# Altium PCB PCB1.PcbDoc (part 2 of 2)
Units mm, origin at the board's own origin, x right, y up, seen from the top; angles counter-clockwise.
Board outline 132 x 80.54 mm, 2 copper layers (Top Layer, Bottom Layer); 184 components, 125 nets, 589 pads, 432 vias.
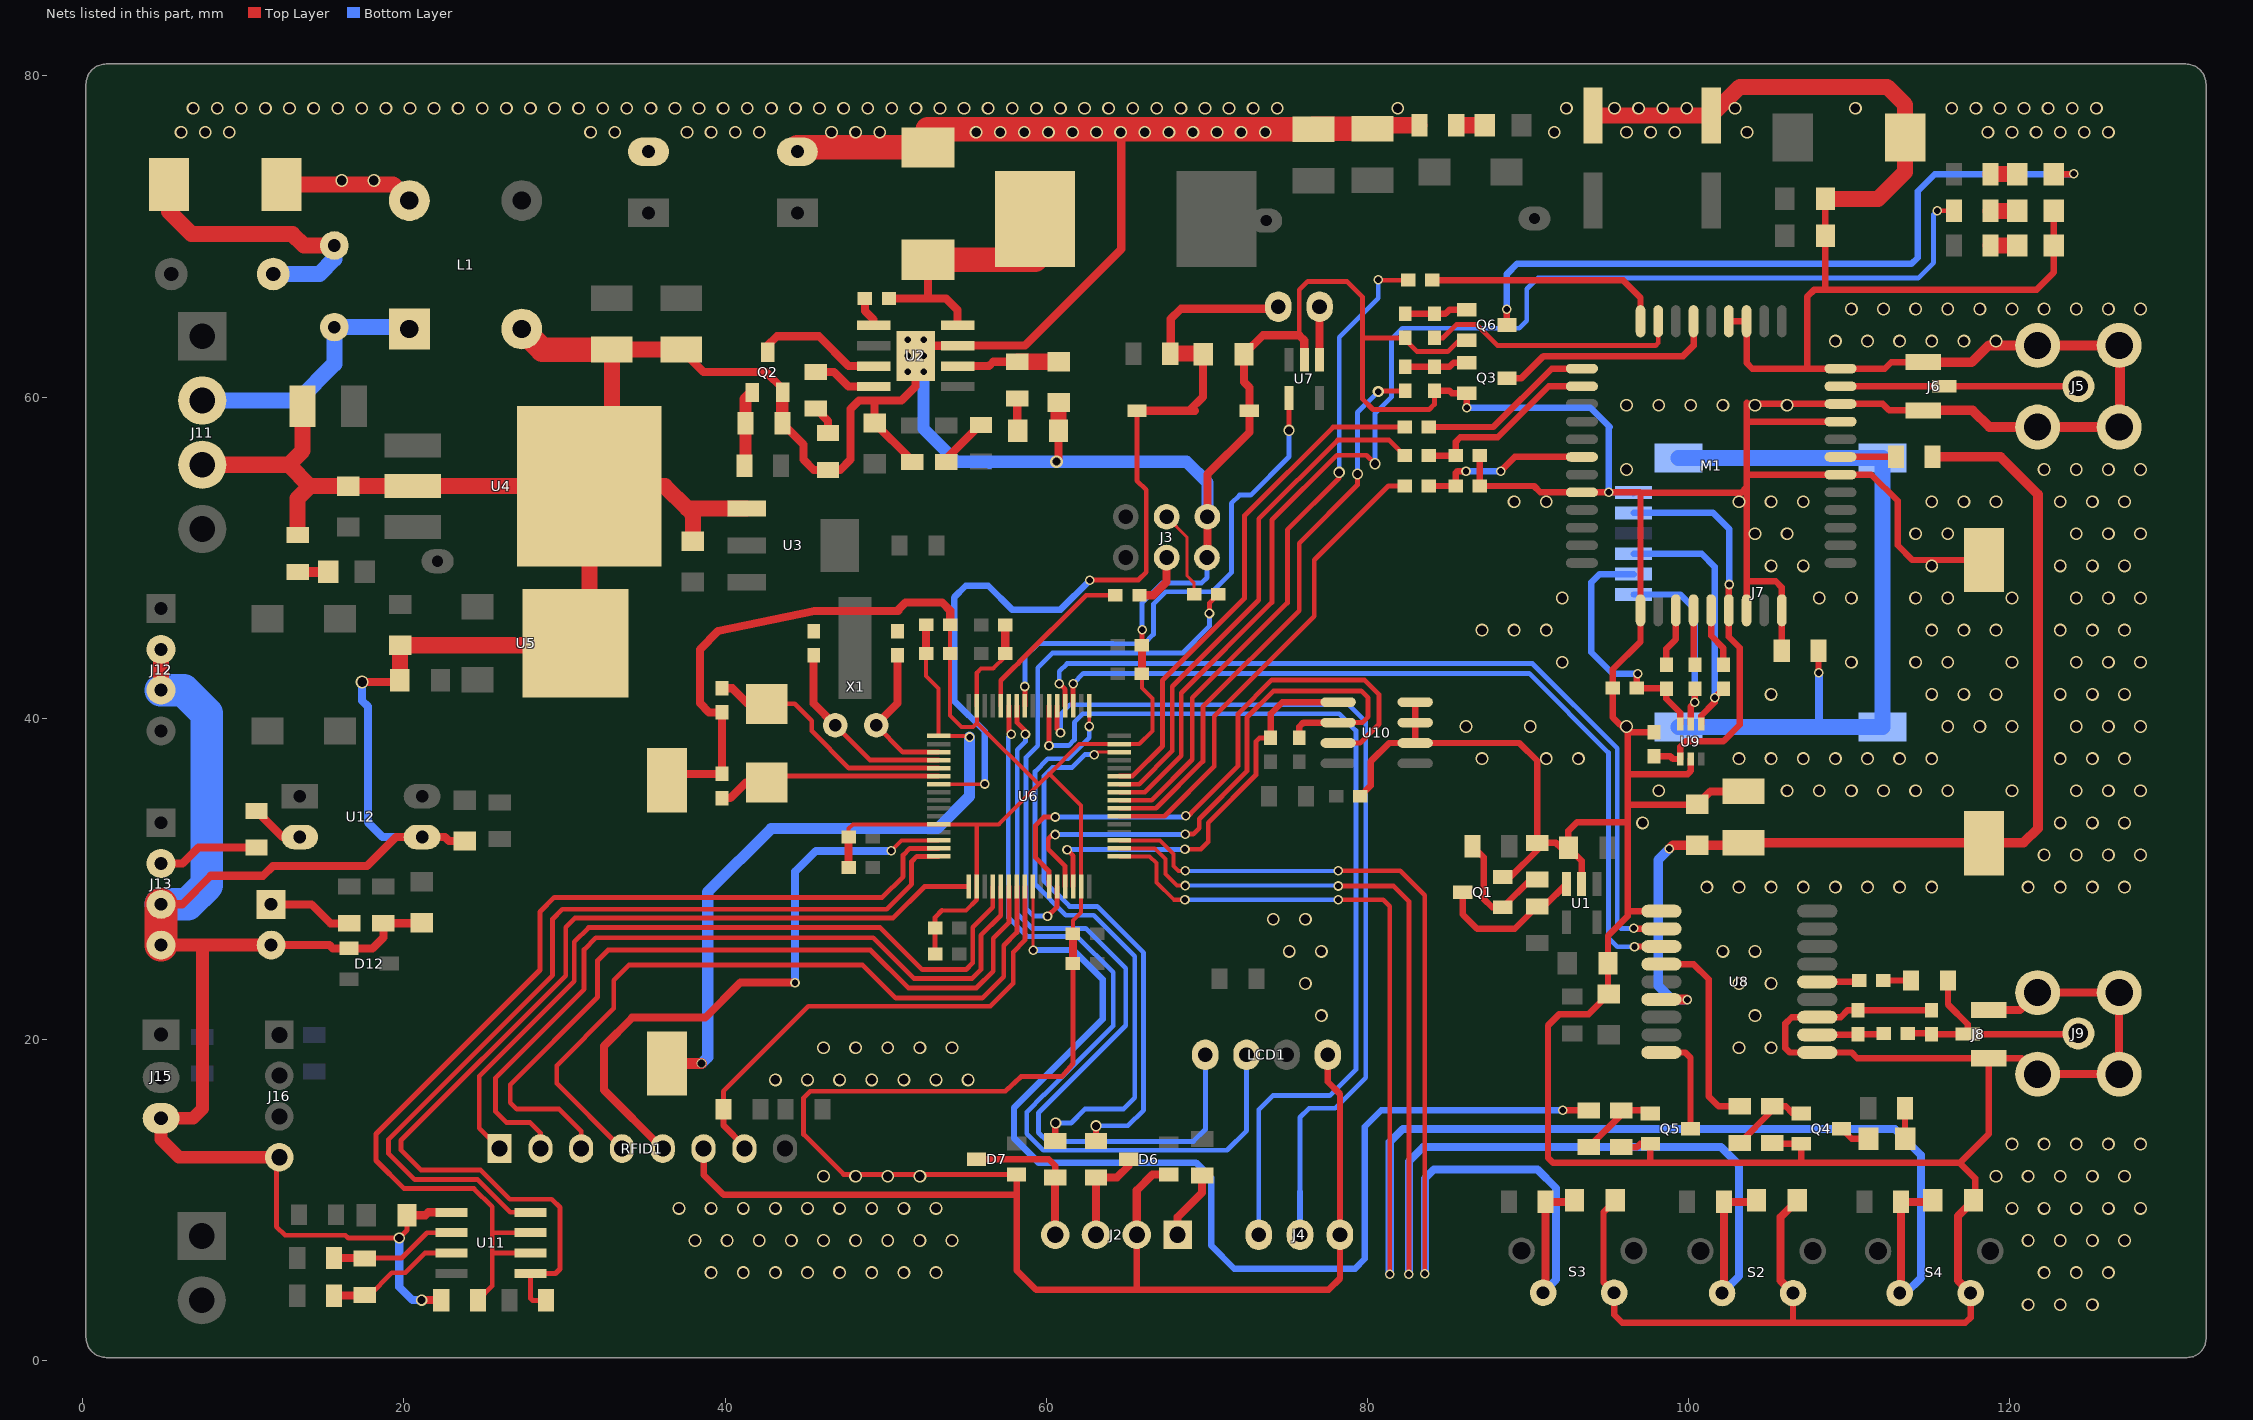
[diagram p2: the nets of this part, all layers, seen from the top]

## Via types
v1: diameter 0.8, hole 0.6, Top Layer to Bottom Layer, 324 vias
v2: diameter 0.6, hole 0.4, Top Layer to Bottom Layer, 68 vias
v3: diameter 0.7, hole 0.5, Top Layer to Bottom Layer, 21 vias
v4: diameter 4, hole 3, Top Layer to Bottom Layer, 8 vias
v5: diameter 0.6, hole 0.5, Top Layer to Bottom Layer, 3 vias
v6: diameter 0.7, hole 0.4, Top Layer to Bottom Layer, 2 vias
v7: diameter 1.3, hole 1.3, Top Layer to Bottom Layer, 2 vias
v8: diameter 1.5, hole 1.5, Top Layer to Bottom Layer, 2 vias
v9: diameter 0.8, hole 0.5, Top Layer to Bottom Layer, 2 vias

## Nets (pads, with @x,y where several pads share a name; then routed paths per layer and width w, separated by ;. In a path a pad name is that pad's centre, name@x,y a point inside that pad or via, vN(x,y) a via of type N, cw(c..) or ccw(c..) an arc to the next point about the centre after c; other vN are vias at no path point) (continued)
GND: BT1.2 BT2.2 C1.2 C2.2 C5.1 C6.1 C7.1 C8.1 C9.1 C10.1 C11.1 C12.1 C13.1 C14.1 C15.1 C16.1 C17.1 C18.1 C19.1 C20.1 C21.1 C22.1 C23.1 C24.1 C25.1 C26.1 C27.1 C28.1 C29.2 C30.2 C31.1 C32.1 C33.2 C34.2 C35.2 C36.2 C37.2 C38.2 C39.2 C40.2 C41.2 C42.2 C43.2 C44.1 C45.2 C46.2 C47.1 C48.1 C49.1 C50.1 C51.1 C52.1 C53.2 C54.1 D3.1 D6.1 D7.1 D12.1 J2.2 J3.3 J3.6 J4.3 J5.2 J6.2 J7.1 J8.2 J9.2 J11.3 J12.2 J12.3 J13.3 J13.4 J14.2 J15.3 J16.4 L1.2 LCD1.1 LED1.2 LED2.2 M1.8 M1.13 M1.19 M1.21 M1.27 M1.30 M1.31 M1.33 M1.36 M1.37 Q1.1 Q2.1 Q3.1 Q4.1 Q5.1 Q6.1 R7.1 R8.1 R9.1 R11.1 R12.1 R13.1 R27.1 R29.1 R33.1 R36.1 R37.1 R38.2 R46.1 R53.1 R58.1 RFID1.6 S1.2 S2.2 S3.2 S4.2 U1.2 U2.7 U2.9 U3.1 U4.2 U4.4 U5.2 U6.12 U6.18 U6.31 U6.47 U6.63 U7.2 U8.1 U8.10 U8.12 U9.2 U10.2 U10.3 U10.4 U11.5 U12.3 | length 1028.4
  Top Layer w0.254: C19.1@47.688,32.614 47.688,33.134 47.958,33.404 U6.12@53.291,33.404 55.677,33.404 ; 53.505,28.042 55.001,28.042 55.667,28.707 U6.18@55.667,29.527 55.667,33.394 55.677,33.404 ; C32.1@54.014,45.83 C31.1@54.014,44.044 54.014,40.187 54.729,39.472 55.423,39.472 55.677,39.726 ; C25.1@57.443,44.044 57.443,43.854 56.693,43.104 55.931,43.104 55.667,42.84 U6.63@55.667,40.78 55.677,40.77 55.677,39.726 ; C21.1@61.658,26.589 61.658,27.419 62.167,27.928 U6.31@62.167,29.527 62.167,34.567 60.183,36.551 ; C23.1@65.952,42.78 65.952,41.882 66.599,41.235 66.599,39.218 65.785,38.404 U6.47@64.543,38.404 62.036,38.404 60.183,36.551 ; 55.677,33.404 57.036,33.404 59.517,35.885 59.499,35.904 ; 55.677,39.726 59.499,35.904 ; 59.499,35.904 59.536,35.904 60.183,36.551
  Top Layer w0.3: J16.4@12.243,12.675 12.065,12.497 12.065,8.357 12.598,7.823 16.358,7.823 16.535,7.645 v3(19.71,7.645) 20.193,8.128 C52.1@20.193,9.068 ; C28.1@53.073,25.324 C27.1@53.073,26.944 53.073,27.609 53.505,28.042 ; D7.1@58.146,11.603 47.376,11.603 44.882,14.097 44.882,16.383 45.288,16.789 57.455,16.789 58.426,17.704 60.982,17.704 61.658,18.503 C22.1@61.658,24.74 ; C24.1@65.952,44.558 65.952,45.505 v2(65.964,45.517) ; 75.743,63.856 75.743,66.675 76.276,67.208 78.715,67.208 79.68,66.243 79.68,63.691 ; R27.1@84.16,60.389 84.16,59.547 83.845,59.233 80.34,59.233 79.68,59.893 79.68,63.691 ; Q6.1@86.182,63.551 85.707,63.551 84.996,62.84 83.083,62.84 82.347,63.576 R46.1@82.347,63.691 79.68,63.691
  Top Layer w0.4: RFID1.6@38.659,13.208 38.659,11.582 39.903,10.338 58.146,10.338 ; D7.1@58.146,11.603 58.146,10.338 ; J2.2@65.634,7.849 65.634,4.42 ; LCD1.1@77.521,19.025 77.521,17.374 78.283,16.612 J4.3@78.283,7.849 78.283,5.131 77.572,4.42 65.634,4.42 ; C51.1@79.541,35.156 80.188,35.803 80.188,37.313 81.344,38.469 U10.2@82.969,38.469 ; U10.4@82.969,41.009 U10.3@82.969,39.739 U10.2@82.969,38.469 ; R27.1@84.16,60.389 85.103,60.389 85.242,60.249 Q3.1@86.182,60.249 v2(86.182,59.334) ; R33.1@86.982,56.363 R29.1@86.982,54.47 90.366,54.47 90.759,54.078 M1.8@93.347,54.078 v2(95.02,54.078) 96.951,54.078 97.003,54.026 97.028,54.051 ; Q1.1@88.417,30.124 88.89,30.124 90.557,31.791 R9.1@90.557,32.244 ; U1.2@93.335,29.693 93.335,31.125 C8.1@92.507,31.953 ; C37.2@95.428,9.982 94.691,9.246 94.691,4.902 S3.2@95.352,4.242 95.352,2.87 95.86,2.362 106.502,2.362 ; R37.1@95.809,13.31 96.774,13.31 96.977,13.513 Q5.1@97.612,13.513 97.612,12.37 97.663,12.319 ; C46.2@97.841,39.129 v1@96.202,39.129 ; U8.1@98.301,27.997 96.196,27.997 ; U9.2@100.127,37.47 100.127,36.728 99.924,36.525 96.202,36.525 ; C50.1@100.533,34.646 100.508,34.62 96.202,34.62 ; M1.37@102.497,64.728 M1.36@103.597,64.728 103.597,62.138 103.957,61.778 107.366,61.778 ; M1.19@103.597,46.728 103.597,48.539 ; R36.1@105.207,13.564 105.258,13.513 Q4.1@107.01,13.513 107.01,12.319 ; R38.2@105.791,44.221 105.797,44.227 M1.21@105.797,46.728 105.797,48.153 105.41,48.539 103.597,48.539 ; S2.2@106.492,4.216 106.492,2.372 106.502,2.362 ; C42.2@108.509,72.339 C43.2@108.509,70.053 108.509,66.7 ; M1.30@109.447,58.478 103.654,58.478 103.597,58.42 ; J6.2@114.605,59.181 112.473,59.181 112.076,59.578 M1.31@109.447,59.578 103.658,59.578 103.597,59.639 103.597,58.42 ; J6.2@114.605,62.181 112.6,62.181 112.197,61.778 M1.33@109.447,61.778 107.366,61.778 ; C47.1@115.113,21.839 C48.1@110.541,21.839 109.901,21.839 109.458,21.397 U8.12@108.001,21.397 106.41,21.397 106.02,21.006 106.02,19.456 106.279,19.197 U8.10@108.001,19.197 110.14,19.197 110.498,18.839 J8.2@118.669,18.839 ; S4.2@117.551,4.216 117.551,2.692 117.221,2.362 106.502,2.362 ; C38.2@117.729,9.982 117.831,10.084 117.831,11.354 116.865,12.319 ; BT2.2@118.389,49.86 113.919,49.86 113.005,50.775 113.005,53.543 111.37,55.178 M1.27@109.447,55.178 103.597,55.178 ; J9.2@121.717,17.849 120.727,18.839 J8.2@118.669,18.839 ; LED2.2@122.733,71.603 LED1.2@122.733,69.444 122.733,67.767 121.666,66.7 108.509,66.7 ; 58.146,10.338 58.146,5.633 59.36,4.42 65.634,4.42 ; U10.2@82.969,38.469 89.446,38.469 90.557,37.358 R9.1@90.557,32.244 ; R9.1@90.557,32.244 91.734,32.244 92.024,31.953 C8.1@92.507,31.953 ; C8.1@92.507,31.953 92.507,32.995 93.04,33.528 96.202,33.528 ; 96.196,27.997 96.196,32.938 96.202,32.944 96.202,33.528 ; 96.196,27.997 96.196,27.692 94.971,26.467 C7.1@94.971,24.765 94.971,22.885 C44.1@95.021,22.835 93.777,21.59 91.948,21.59 91.237,20.879 91.237,12.649 91.567,12.319 97.663,12.319 ; 96.202,33.528 96.202,34.62 ; 96.202,34.62 96.202,36.525 ; 96.202,36.525 v1@96.202,39.129 ; v1@96.202,39.129 95.272,40.059 C45.2@95.272,41.885 95.272,43.049 96.997,44.774 M1.13@96.997,46.728 96.997,54.02 97.028,54.051 ; 97.028,54.051 103.277,54.051 103.597,54.371 ; 97.663,12.319 107.01,12.319 ; 103.597,48.539 103.597,54.371 ; 103.597,54.371 103.597,55.178 ; 103.597,55.178 103.597,58.42 ; 107.01,12.319 116.865,12.319 ; 107.366,61.778 107.366,66.243 107.823,66.7 108.509,66.7 ; 116.865,12.319 118.669,14.122 J8.2@118.669,18.839
  Top Layer w0.5: v3(21.107,3.772) R53.1@22.327,3.772 ; C50.1@100.533,34.646 101.346,35.458 C49.1@103.403,35.458 ; S2.2@106.492,4.216 105.715,4.994 105.715,8.941 C36.2@106.756,9.982 ; S4.2@117.551,4.216 116.764,5.004 116.764,9.017 C38.2@117.729,9.982 ; J8.2@118.669,21.839 120.627,21.839 J9.2@121.717,22.929 J9.2@126.797,22.929 J9.2@126.797,17.849 J9.2@121.717,17.849
  Top Layer w0.508: J13.3@4.877,28.423 6.198,28.423 7.976,30.201 11.227,30.201 11.836,30.81 17.704,30.81 19.507,32.614 U12.3@21.133,32.614 22.555,32.614 22.809,32.36 C53.2@23.8,32.36 ; J14.2@11.735,25.883 15.367,25.883 15.57,25.679 D12.1@16.586,25.679 18.034,25.679 18.72,26.365 R58.1@18.72,27.243 21.071,27.243 C54.1@21.107,27.28 ; v1(17.399,42.266) 19.628,42.266 C16.1@19.736,42.373 ; C52.1@20.193,9.068 21.336,9.068 21.514,9.246 U11.5@22.962,9.246 ; BT1.2@36.373,36.144 36.767,36.539 C30.2@39.802,36.539 C29.2@39.802,40.373 39.002,40.373 38.43,40.945 38.43,44.298 39.561,45.429 45.568,46.685 50.775,46.685 50.724,46.705 51.238,47.219 53.518,47.219 54.014,46.723 C32.1@54.014,45.83 ; C9.1@37.262,62.967 38.659,61.57 42.543,61.57 43.586,60.527 Q2.1@43.586,60.3 ; R11.1@43.561,58.369 44.882,57.048 44.882,56.109 45.517,55.474 R8.1@46.406,55.474 47.168,55.474 47.803,56.109 47.803,59.258 48.336,59.792 49.454,59.792 ; C20.1@47.688,30.709 C19.1@47.688,32.614 ; R7.1@51.663,55.956 51.562,55.855 51.562,56.134 C18.1@49.301,58.395 49.301,59.639 49.454,59.792 ; C25.1@57.443,44.044 C26.1@57.443,45.822 ; v9(60.63,55.982) 60.757,56.109 C12.1@60.757,57.912 ; C22.1@61.658,24.74 C21.1@61.658,26.589 ; v1@64.668,76.683 64.668,69.215 58.674,63.221 54.491,63.221 U2.7@54.475,63.205 52.494,63.205 U2.9@51.859,62.57 51.859,60.673 50.978,59.792 49.454,59.792 ; J2.2@65.634,7.849 65.634,10.617 66.619,11.603 D6.1@67.62,11.603 ; C23.1@65.952,42.78 C24.1@65.952,44.558 ; J3.3@70.002,50.013 70.028,50.038 J3.6@70.028,52.553 70.028,55.205 72.639,57.816 S1.2@72.639,59.157 72.639,60.61 72.314,60.935 C35.2@72.314,62.687 73.482,63.856 75.743,63.856 76.063,63.536 U7.2@76.063,62.332
  Top Layer w0.6: J6.2@114.605,59.181 117.68,59.181 118.72,58.141 J5.2@121.717,58.141 J5.2@126.797,58.141 126.848,58.09 126.848,63.17 J5.2@126.797,63.221 J5.2@121.717,63.221 118.669,63.221 117.629,62.181 J6.2@114.605,62.181
  Top Layer w0.762: R11.1@43.561,58.369 43.561,60.274 Q2.1@43.586,60.3
  Top Layer w0.8: J13.4@4.877,25.883 7.468,25.883 ; J14.2@11.735,25.883 7.468,25.883 ; J16.4@12.243,12.675 5.994,12.675 4.877,13.792 J15.3@4.877,15.1 6.871,15.1 7.468,15.697 7.468,25.883
  Top Layer w1: J12.3@4.877,41.758 J12.2@4.877,44.298 ; J11.3@7.442,55.792 12.815,55.792 ; R12.1@13.386,51.74 13.386,53.695 14.149,54.458 ; C13.1@13.691,59.436 13.691,56.667 12.815,55.792 ; C16.1@19.736,42.373 19.761,42.399 C15.1@19.761,44.552 30.68,44.552 U5.2@30.68,44.679 31.547,45.546 U4.4@31.547,54.458 ; C9.1@37.262,62.967 C10.1@32.944,62.967 32.944,55.855 U4.4@31.547,54.458 ; C17.1@37.998,51.029 37.998,52.705 37.629,53.075 ; U3.1@41.347,53.075 37.629,53.075 ; C39.2@94.031,77.543 C40.2@101.397,77.543 103.178,79.324 112.344,79.324 113.477,78.192 C41.2@113.477,76.175 113.477,74.031 111.785,72.339 C42.2@108.509,72.339 ; 12.815,55.792 14.149,54.458 ; 14.149,54.458 C14.1@16.535,54.458 U4.2@20.547,54.458 U4.4@31.547,54.458 ; U4.4@31.547,54.458 36.246,54.458 37.629,53.075
  Top Layer w1.016: C12.1@60.757,57.912 60.757,59.639 C11.1@60.782,59.665 ; C5.1@80.315,76.708 80.315,76.937 R13.1@83.236,76.937
  Top Layer w1.524: L1.2@27.341,64.243 28.617,62.967 C10.1@32.944,62.967 ; C2.2@44.501,75.286 44.501,75.547 D3.1@52.629,75.547 52.629,76.683 64.668,76.683 C6.1@76.632,76.683 76.632,76.708 C5.1@80.315,76.708
  Top Layer w2.032: J13.4@4.877,25.883 J13.3@4.877,28.423
  Bottom Layer w0.3: v2(65.964,45.517) 65.964,47.193 67.208,48.438 69.672,48.438 70.002,48.768 J3.3@70.002,50.013
  Bottom Layer w0.4: v2(86.182,59.334) 93.878,59.334 95.072,58.141 95.02,58.089 v2(95.02,54.078) 96.48,54.078 96.532,54.026 96.557,54.051 J7.1@96.571,54.065
  Bottom Layer w0.5: v3(19.71,7.645) 19.71,4.597 20.535,3.772 v3(21.107,3.772)
  Bottom Layer w0.508: 7.722,30.937 7.874,30.785 ; v1(17.399,42.266) 17.399,41.097 17.755,40.742 17.755,33.528 18.669,32.614 U12.3@21.133,32.614
  Bottom Layer w0.7: 56.363,55.982 56.464,55.88
  Bottom Layer w0.762: U2.9@52.359,61.57 52.359,58.03 54.407,55.982 56.363,55.982 v9(60.63,55.982) 68.732,55.982 70.028,54.686 J3.6@70.028,52.553
  Bottom Layer w2.032: J13.3@4.877,28.423 6.528,28.423 7.722,29.616 7.722,30.937 7.722,40.31 6.274,41.758 J12.3@4.877,41.758
  other v1: 121.127,3.493 123.127,3.493 125.127,3.493 39.127,5.493 41.127,5.493 43.127,5.493 45.127,5.493 47.127,5.493 49.127,5.493 51.127,5.493 53.127,5.493 122.127,5.493 124.127,5.493 126.127,5.493 38.127,7.493 40.127,7.493 42.127,7.493 44.127,7.493 46.127,7.493 48.127,7.493 50.127,7.493 52.127,7.493 54.127,7.493 121.127,7.493 123.127,7.493 125.127,7.493 127.127,7.493 37.127,9.493 39.127,9.493 41.127,9.493 43.127,9.493 45.127,9.493 47.127,9.493 49.127,9.493 51.127,9.493 53.127,9.493 120.127,9.493 122.127,9.493 124.127,9.493 126.127,9.493 128.127,9.493 46.127,11.493 48.127,11.493 50.127,11.493 52.127,11.493 119.127,11.493 121.127,11.493 123.127,11.493 125.127,11.493 127.127,11.493 120.127,13.493 122.127,13.493 124.127,13.493 126.127,13.493 128.127,13.493 43.127,17.493 45.127,17.493 47.127,17.493 49.127,17.493 51.127,17.493 53.127,17.493 55.127,17.493 46.127,19.493 48.127,19.493 50.127,19.493 52.127,19.493 54.127,19.493 103.127,19.493 105.127,19.493 77.127,21.493 104.127,21.493 76.127,23.493 103.127,23.493 105.127,23.493 75.127,25.493 77.127,25.493 102.127,25.493 104.127,25.493 74.127,27.493 76.127,27.493 101.127,29.493 103.127,29.493 105.127,29.493 107.127,29.493 109.127,29.493 111.127,29.493 113.127,29.493 115.127,29.493 121.127,29.493 123.127,29.493 125.127,29.493 127.127,29.493 122.127,31.493 124.127,31.493 126.127,31.493 128.127,31.493 97.127,33.493 123.127,33.493 125.127,33.493 127.127,33.493 98.127,35.493 106.127,35.493 108.127,35.493 110.127,35.493 112.127,35.493 114.127,35.493 116.127,35.493 120.127,35.493 124.127,35.493 126.127,35.493 128.127,35.493 87.127,37.493 91.127,37.493 93.127,37.493 103.127,37.493 105.127,37.493 107.127,37.493 109.127,37.493 111.127,37.493 113.127,37.493 115.127,37.493 123.127,37.493 125.127,37.493 127.127,37.493 86.127,39.493 90.127,39.493 96.127,39.493 116.127,39.493 118.127,39.493 120.127,39.493 124.127,39.493 126.127,39.493 128.127,39.493 105.127,41.493 115.127,41.493 117.127,41.493 119.127,41.493 123.127,41.493 125.127,41.493 127.127,41.493 92.127,43.493 110.127,43.493 114.127,43.493 116.127,43.493 120.127,43.493 124.127,43.493 126.127,43.493 128.127,43.493 87.127,45.493 89.127,45.493 91.127,45.493 115.127,45.493 117.127,45.493 119.127,45.493 123.127,45.493 125.127,45.493 127.127,45.493 92.127,47.493 108.127,47.493 110.127,47.493 114.127,47.493 116.127,47.493 120.127,47.493 124.127,47.493 126.127,47.493 128.127,47.493 105.127,49.493 107.127,49.493 115.127,49.493 123.127,49.493 125.127,49.493 127.127,49.493 104.127,51.493 106.127,51.493 114.127,51.493 116.127,51.493 124.127,51.493 126.127,51.493 128.127,51.493 89.127,53.493 91.127,53.493 103.127,53.493 105.127,53.493 107.127,53.493 115.127,53.493 117.127,53.493 119.127,53.493 123.127,53.493 125.127,53.493 127.127,53.493 96.127,55.493 122.127,55.493 124.127,55.493 126.127,55.493 128.127,55.493 96.127,59.493 98.127,59.493 100.127,59.493 102.127,59.493 104.127,59.493 106.127,59.493 109.127,63.493 111.127,63.493 113.127,63.493 115.127,63.493 117.127,63.493 119.127,63.493 110.127,65.493 112.127,65.493 114.127,65.493 116.127,65.493 118.127,65.493 120.127,65.493 122.127,65.493 124.127,65.493 126.127,65.493 128.127,65.493 6.127,76.493 7.627,76.493 9.127,76.493 31.627,76.493 33.127,76.493 37.627,76.493 39.127,76.493 40.627,76.493 42.127,76.493 46.627,76.493 48.127,76.493 49.627,76.493 55.627,76.493 57.127,76.493 58.627,76.493 60.127,76.493 61.627,76.493 63.127,76.493 64.627,76.493 66.127,76.493 67.627,76.493 69.127,76.493 70.627,76.493 72.127,76.493 73.627,76.493 91.627,76.493 96.127,76.493 97.627,76.493 99.127,76.493 103.627,76.493 118.627,76.493 120.127,76.493 121.627,76.493 123.127,76.493 124.627,76.493 126.127,76.493 6.877,77.993 8.377,77.993 9.877,77.993 11.377,77.993 12.877,77.993 14.377,77.993 15.877,77.993 17.377,77.993 18.877,77.993 20.377,77.993 21.877,77.993 23.377,77.993 24.877,77.993 26.377,77.993 27.877,77.993 29.377,77.993 30.877,77.993 32.377,77.993 33.877,77.993 35.377,77.993 36.877,77.993 38.377,77.993 39.877,77.993 41.377,77.993 42.877,77.993 44.377,77.993 45.877,77.993 47.377,77.993 48.877,77.993 50.377,77.993 51.877,77.993 53.377,77.993 54.877,77.993 56.377,77.993 57.877,77.993 59.377,77.993 60.877,77.993 62.377,77.993 63.877,77.993 65.377,77.993 66.877,77.993 68.377,77.993 69.877,77.993 71.377,77.993 72.877,77.993 74.377,77.993 81.877,77.993 92.377,77.993 95.377,77.993 96.877,77.993 98.377,77.993 99.877,77.993 102.877,77.993 110.377,77.993 116.377,77.993 117.877,77.993 119.377,77.993 120.877,77.993 122.377,77.993 123.877,77.993 125.377,77.993
GND_INPUT: C3.1 J11.2 L1.1 | length 16.2
  Bottom Layer w1: J11.2@7.442,59.792 13.386,59.792 15.672,62.078 C3.1@15.672,64.364 20.22,64.364 L1.1@20.341,64.243
GPS_RESET: Q5.2 U8.9 | length 6.4
  Top Layer w0.4: U8.9@98.301,19.197 99.777,19.197 100.107,18.867 Q5.2@100.107,14.453
GPS_RF: C47.2 J8.1 J9.1 L3.1 R42.1 | length 14.5
  Top Layer w0.4: R42.1@113.627,20.389 115.063,20.389 C47.2@115.113,20.339 J8.1@117.369,20.339 ; L3.1@116.143,23.681 116.143,22.186 117.369,20.96 J8.1@117.369,20.339 ; J9.1@124.257,20.389 124.207,20.339 J8.1@117.369,20.339
GPS_RST: R35.1@93.777,15.596 U6.25 | length 71.8
  Top Layer w0.2: U6.25@59.167,29.527 59.167,25.568 v2(59.182,25.552)
  Top Layer w0.4: v2(92.151,15.596) R35.1@93.777,15.596
  Bottom Layer w0.4: v2(59.182,25.552) 59.207,25.578 61.671,25.578 63.5,23.749 63.5,21.26 57.988,15.748 57.988,13.868 59.512,12.344 69.317,12.344 70.256,11.405 70.256,7.188 71.704,5.74 79.223,5.74 79.832,6.35 79.832,14.574 80.854,15.596 v2(92.151,15.596)
GPS_RXD: U6.52 U8.2 | length 53.3
  Top Layer w0.3: v2(60.808,42.164) 61.167,41.805 U6.52@61.167,40.78 ; v2(96.571,26.924) v2@96.598,26.897
  Top Layer w0.4: v2@96.598,26.897 U8.2@98.301,26.897
  Bottom Layer w0.3: v2(60.808,42.164) 60.808,42.926 61.29,43.409 90.272,43.409 95.55,38.13 95.55,27.157 95.783,26.924 v2(96.571,26.924)
GPS_TIMEPULSE: R34.1 U8.4 | length 12.8
  Top Layer w0.4: U8.4@98.301,24.697 100.297,24.697 101.244,23.749 101.244,16.459 101.854,15.85 R34.1@103.175,15.85
GPS_TXD: U6.51 U8.3 | length 52.1
  Top Layer w0.3: U6.51@61.667,40.78 v2(61.667,42.16)
  Top Layer w0.4: v2(96.622,25.781) 96.637,25.797 U8.3@98.301,25.797
  Bottom Layer w0.3: v2(61.667,42.16) 62.306,42.799 90.068,42.799 94.996,37.871 94.996,26.34 95.555,25.781 v2(96.622,25.781)
GSM_DIR: R28.1 U6.38 | length 30.2
  Top Layer w0.3: U6.38@64.543,33.904 67.355,33.904 70.46,37.008 70.46,40.132 76.683,46.355 76.683,49.86 81.293,54.47 R28.1@82.309,54.47
GSM_LED_STATUS: LED3.2 Q6.2 | length 44.7
  Top Layer w0.4: Q6.2@88.677,64.491 v2(88.677,65.481) ; LED3.2@122.733,73.889 123.952,73.889 v2(123.977,73.914)
  Bottom Layer w0.4: v2(88.677,65.481) 88.677,67.671 89.306,68.301 113.868,68.301 114.249,68.682 114.249,72.822 115.316,73.889 123.952,73.889 v2(123.977,73.914)
GSM_NETLIGHT: M1.41 R44.1 | length 16.2
  Top Layer w0.3: R44.1@84.16,63.691 84.696,63.691 85.522,64.516 86.792,64.516 88.095,63.213 97.935,63.213 98.097,63.375 M1.41@98.097,64.728
GSM_PWRKEY: R26.1 U6.39 | length 35.7
  Top Layer w0.3: U6.39@64.543,34.404 66.829,34.404 69.748,37.323 69.748,40.716 75.743,46.711 75.743,50.902 79.375,54.534 v3(79.375,55.22) ; v6(80.67,60.35) 80.709,60.389 R26.1@82.347,60.389
  Bottom Layer w0.3: v3(79.375,55.22) 79.375,59.055 v6(80.67,60.35)
GSM_RF: J5.1 J6.1 M1.32 | length 14.8
  Top Layer w0.4: M1.32@109.447,60.678 115.902,60.678 J6.1@115.905,60.681 J5.1@124.257,60.681
GSM_RXD: R30.1 U6.43 | length 32.2
  Top Layer w0.3: U6.43@64.543,36.404 65.36,36.404 67.234,38.278 67.234,42.367 72.339,47.473 72.339,52.629 77.851,58.141 R30.1@82.309,58.141
GSM_STATUS: R45.2 U6.40 | length 42.1
  Top Layer w0.3: U6.40@64.543,34.904 66.552,34.904 69.088,37.44 69.088,41.275 75.006,47.193 75.006,51.74 78.232,54.966 v3(78.232,55.321) ; v2(80.67,67.31) 80.696,67.285 R45.2@82.536,67.285
  Bottom Layer w0.3: v3(78.232,55.321) 78.232,63.729 80.67,66.167 v2(80.67,67.31)
GSM_TXD: R32.1 U6.42 | length 32.4
  Top Layer w0.3: U6.42@64.543,35.904 65.774,35.904 67.843,37.973 67.843,41.986 73.228,47.371 73.228,52.426 78.13,57.328 81.344,57.328 R32.1@82.309,56.363
LCD_SCL: LCD1.3 U6.59 | length 52.9
  Top Layer w0.3: U6.59@57.667,40.78 57.667,39.158 v2(57.81,39.014)
  Bottom Layer w0.3: v2(57.81,39.014) 57.634,38.838 57.634,27.609 58.826,26.416 61.925,26.416 64.16,24.181 64.16,20.853 59.894,16.587 59.874,16.587 58.776,15.488 58.776,14.148 59.817,13.106 71.247,13.106 72.466,14.326 LCD1.3@72.466,19.025
LCD_SDA: LCD1.4 U6.58 | length 49.6
  Top Layer w0.3: U6.58@58.167,40.78 58.167,39.75 58.699,39.218 v2(58.699,39.014)
  Bottom Layer w0.3: v2(58.699,39.014) 58.699,38.557 58.188,38.045 58.188,27.842 59.106,26.924 62.459,26.924 64.948,24.435 64.948,20.877 59.512,15.441 59.512,14.199 60.05,13.66 69.159,13.66 69.901,14.402 LCD1.4@69.901,19.025
MCU_BOOT0: R20.1 U6.60 | length 10.9
  Top Layer w0.3: U6.60@57.167,40.78 57.167,42.359 58.048,43.24 58.06,43.24 58.297,43.476 58.297,43.489 62.479,47.671 R20.1@64.3,47.671